# Altium PCB Evaluation Board.PcbDoc (part 17 of 22)
Units mm, origin at the board's own origin, x right, y up, seen from the top; angles counter-clockwise.
Board outline 200 x 200 mm, 4 copper layers (Top Layer, GND, Power, Bottom Layer), stack 1.56 mm thick; 639 components, 758 nets, 3043 pads, 1306 vias.
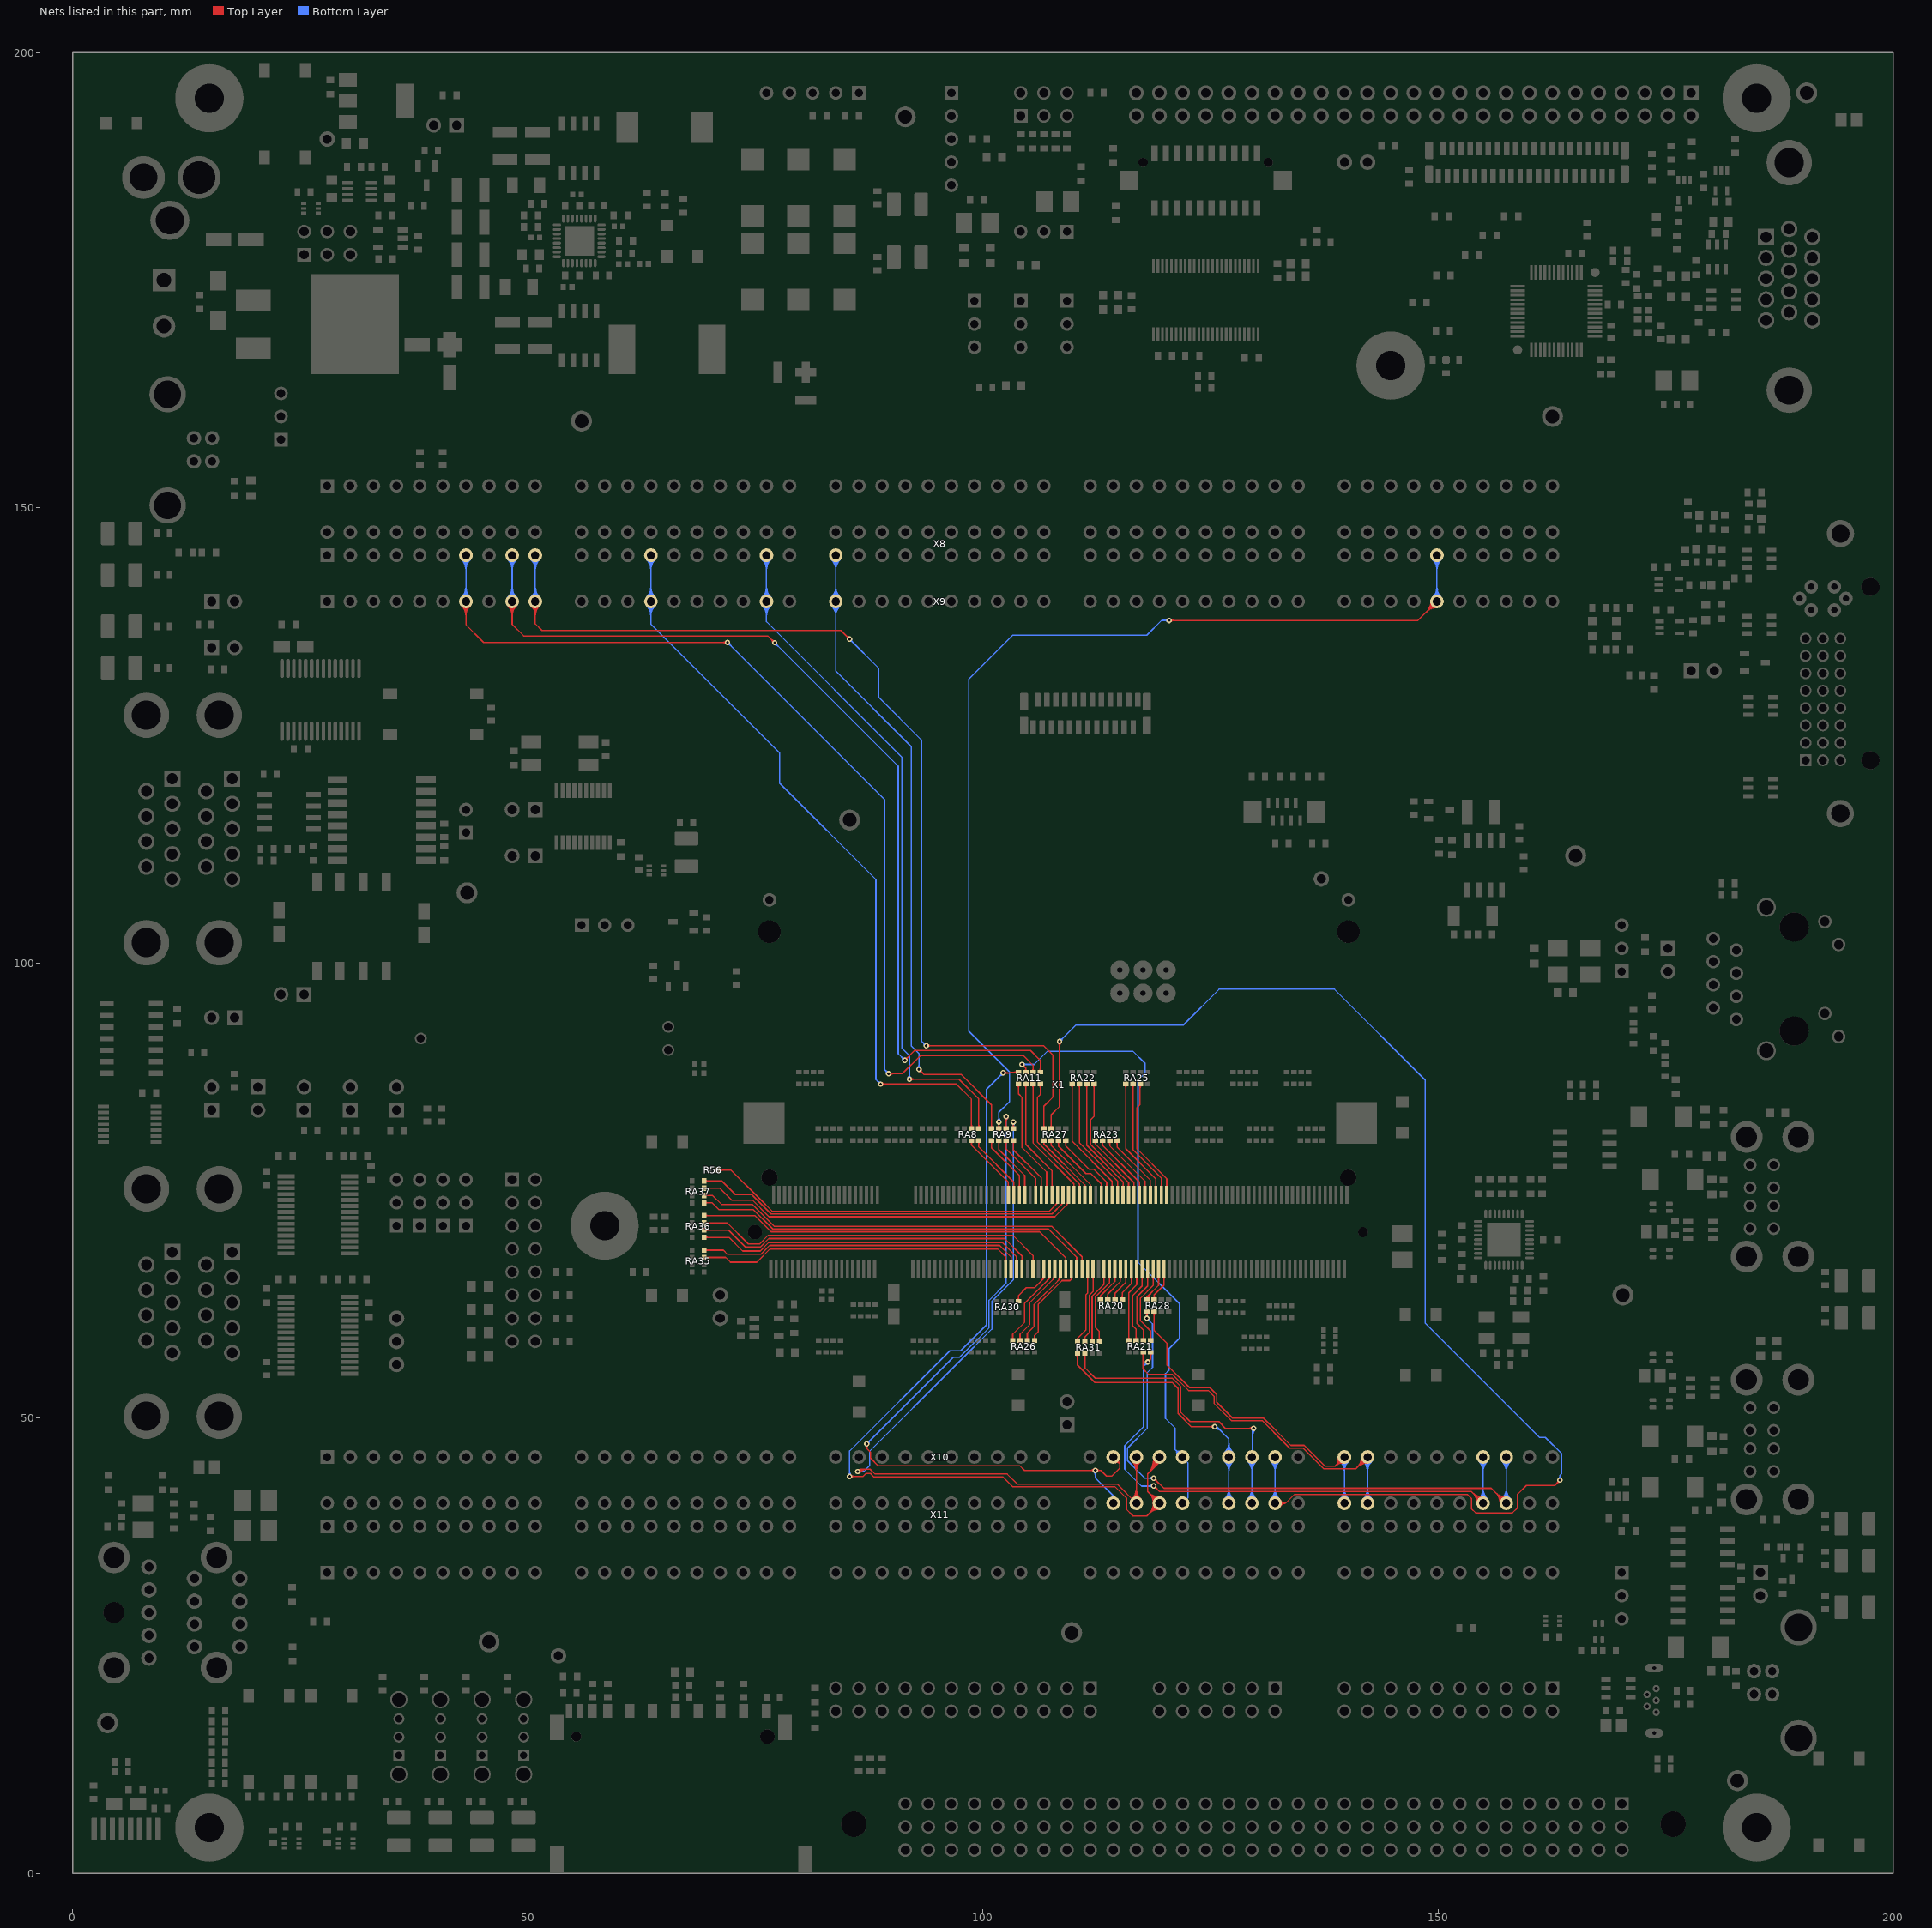
[diagram p19: the nets of this part, all layers, seen from the top]

## Via types
v1: diameter 0.6, hole 0.3, Top Layer to Bottom Layer, 1222 vias
v2: diameter 0.6, hole 0.3, Top Layer to Bottom Layer, tented both sides, 84 vias

## Nets (pads, with @x,y where several pads share a name; then routed paths per layer and width w, separated by ;. In a path a pad name is that pad's centre, name@x,y a point inside that pad or via, vN(x,y) a via of type N, cw(c..) or ccw(c..) an arc to the next point about the centre after c; other vN are vias at no path point) (continued)
SODIMM_75_S: RA35.3 X1.75 | length 36.7
  Top Layer w0.15: RA35.3@69.342,67.64 71.725,67.64 72.24,67.125 75.141,67.125 76.595,68.579 101.601,68.579 102.482,67.698 X1.75@102.482,66.316 ; RA35.3@69.466,67.516 cw(c69.764,67.218) 69.764,67.64 cw(c69.764,68.062) RA35.3@69.466,67.764 ; X1.75@102.411,67.212 ccw(c102.241,67.383) 102.482,67.383 ccw(c102.723,67.383) X1.75@102.553,67.212
SODIMM_76: RA8.7 X8.A14 X9.14 | length 102.8
  Top Layer w0.15: v1(88.75,86.675) 88.75,86.677 88.763,86.69 97.06,86.69 98.73,85.02 RA8.7@98.73,81.793 ; v1@88.909,86.516 cw(c89.33,86.095) 89.33,86.69 ; v1@88.909,86.834 ccw(c89.257,87.182) 89.257,86.69 ; RA8.7@98.606,81.916 ccw(c98.307,82.215) 98.73,82.215 ccw(c99.152,82.215) RA8.7@98.853,81.916
  Bottom Layer w0.15: X9.14@63.023,139.223 cw(c61.87,138.07) 63.5,138.07 cw(c65.13,138.07) X9.14@63.977,139.223 ; X9.14@63.023,140.177 ccw(c61.87,141.33) 63.5,141.33 ccw(c65.13,141.33) X9.14@63.977,140.177 ; X8.A14@63.023,144.303 cw(c61.87,143.15) 63.5,143.15 cw(c65.13,143.15) X8.A14@63.977,144.303 ; X9.14@63.129,139.329 cw(c62.233,138.433) 63.5,138.433 cw(c64.767,138.433) X9.14@63.871,139.329 ; X9.14@63.129,140.071 ccw(c62.233,140.967) 63.5,140.967 ccw(c64.767,140.967) X9.14@63.871,140.071 ; X8.A14@63.129,144.409 cw(c62.233,143.513) 63.5,143.513 cw(c64.767,143.513) X8.A14@63.871,144.409 ; X9.14@63.235,139.435 cw(c62.595,138.795) 63.5,138.795 cw(c64.405,138.795) X9.14@63.765,139.435 ; X9.14@63.235,139.965 ccw(c62.595,140.605) 63.5,140.605 ccw(c64.405,140.605) X9.14@63.765,139.965 ; X8.A14@63.235,144.515 cw(c62.595,143.875) 63.5,143.875 cw(c64.405,143.875) X8.A14@63.765,144.515 ; X8.A14@63.5,144.78 X9.14@63.5,139.7 63.5,137.211 77.651,123.06 77.651,119.729 88.225,109.155 88.225,87.2 v1(88.75,86.675) ; v1@88.525,86.675 ccw(c87.982,86.675) 88.366,87.059 ccw(c88.75,87.443) v1@88.75,86.9
SODIMM_76_S: RA8.3 X1.76 | length 8.7
  Top Layer w0.15: RA8.3@98.606,80.369 cw(c98.307,80.07) 98.73,80.07 cw(c99.152,80.07) RA8.3@98.853,80.369 ; RA8.3@98.73,80.493 98.73,79.959 102.782,75.907 X1.76@102.782,74.516 ; X1.76@102.711,75.412 ccw(c102.541,75.583) 102.782,75.583 ccw(c103.023,75.583) X1.76@102.853,75.412
SODIMM_77_S: RA35.4 X1.77 | length 37.3
  Top Layer w0.15: RA35.4@69.342,68.44 71.348,68.44 71.46,68.44 71.925,67.975 75.567,67.975 76.032,68.44 76.548,68.956 101.819,68.956 103.082,67.693 X1.77@103.082,66.316 ; RA35.4@69.466,68.316 cw(c69.764,68.018) 69.764,68.44 cw(c69.764,68.862) RA35.4@69.466,68.564 ; X1.77@103.011,67.212 ccw(c102.841,67.383) 103.082,67.383 ccw(c103.323,67.383) X1.77@103.153,67.212
SODIMM_78: RA8.8 X8.A19 X9.19 | length 96.2
  Top Layer w0.15: v1(91.897,87.224) 97.358,87.224 99.53,85.052 RA8.8@99.53,81.793 ; v1@92.056,87.065 cw(c92.44,86.68) 92.44,87.224 cw(c92.44,87.767) v1@92.056,87.383 ; RA8.8@99.406,81.916 ccw(c99.107,82.215) 99.53,82.215 ccw(c99.952,82.215) RA8.8@99.653,81.916
  Bottom Layer w0.15: X9.19@75.723,139.223 cw(c74.57,138.07) 76.2,138.07 cw(c77.83,138.07) X9.19@76.677,139.223 ; X9.19@75.723,140.177 ccw(c74.57,141.33) 76.2,141.33 ccw(c77.83,141.33) X9.19@76.677,140.177 ; X8.A19@75.723,144.303 cw(c74.57,143.15) 76.2,143.15 cw(c77.83,143.15) X8.A19@76.677,144.303 ; X9.19@75.829,139.329 cw(c74.933,138.433) 76.2,138.433 cw(c77.467,138.433) X9.19@76.571,139.329 ; X9.19@75.829,140.071 ccw(c74.933,140.967) 76.2,140.967 ccw(c77.467,140.967) X9.19@76.571,140.071 ; X8.A19@75.829,144.409 cw(c74.933,143.513) 76.2,143.513 cw(c77.467,143.513) X8.A19@76.571,144.409 ; X9.19@75.935,139.435 cw(c75.295,138.795) 76.2,138.795 cw(c77.105,138.795) X9.19@76.465,139.435 ; X9.19@75.935,139.965 ccw(c75.295,140.605) 76.2,140.605 ccw(c77.105,140.605) X9.19@76.465,139.965 ; X8.A19@75.935,144.515 cw(c75.295,143.875) 76.2,143.875 cw(c77.105,143.875) X8.A19@76.465,144.515 ; X8.A19@76.2,144.78 X9.19@76.2,139.7 76.2,137.475 91.1,122.575 91.1,90.625 91.925,89.8 91.925,87.251 v1(91.897,87.224) ; v1@91.738,87.383 ccw(c91.287,87.834) 91.925,87.834 ; 91.925,87.7 ccw(c92.373,87.7) v1@92.056,87.383
SODIMM_78_S: RA8.4 X1.78 | length 8.6
  Top Layer w0.15: RA8.4@99.406,80.369 cw(c99.107,80.07) 99.53,80.07 cw(c99.952,80.07) RA8.4@99.653,80.369 ; RA8.4@99.53,80.493 99.53,79.769 103.382,75.917 X1.78@103.382,74.516 ; X1.78@103.311,75.412 ccw(c103.141,75.583) 103.382,75.583 ccw(c103.623,75.583) X1.78@103.453,75.412
SODIMM_79_S: RA36.1 X1.79 | length 38.4
  Top Layer w0.15: RA36.1@69.342,69.85 72.075,69.85 73.575,68.35 75.518,68.35 76.454,69.287 102.112,69.287 103.682,67.717 X1.79@103.682,66.316 ; RA36.1@69.466,69.726 cw(c69.764,69.428) 69.764,69.85 cw(c69.764,70.272) RA36.1@69.466,69.974 ; X1.79@103.611,67.212 ccw(c103.441,67.383) 103.682,67.383 ccw(c103.923,67.383) X1.79@103.753,67.212
SODIMM_80: RA9.5 X8.A21 X9.21 | length 92.8
  Top Layer w0.15: v1@92.95,88.075 cw(c92.95,87.532) 93.334,87.916 cw(c93.718,88.3) v1@93.175,88.3 ; v1(92.95,88.3) 93.493,87.757 97.587,87.757 100.94,84.404 RA9.5@100.94,81.793 ; RA9.5@100.816,81.916 ccw(c100.517,82.215) 100.94,82.215 ccw(c101.362,82.215) RA9.5@101.063,81.916
  Bottom Layer w0.15: X9.21@83.343,139.223 cw(c82.19,138.07) 83.82,138.07 cw(c85.45,138.07) X9.21@84.297,139.223 ; X9.21@83.343,140.177 ccw(c82.19,141.33) 83.82,141.33 ccw(c85.45,141.33) X9.21@84.297,140.177 ; X8.A21@83.343,144.303 cw(c82.19,143.15) 83.82,143.15 cw(c85.45,143.15) X8.A21@84.297,144.303 ; X9.21@83.449,139.329 cw(c82.553,138.433) 83.82,138.433 cw(c85.087,138.433) X9.21@84.191,139.329 ; X9.21@83.449,140.071 ccw(c82.553,140.967) 83.82,140.967 ccw(c85.087,140.967) X9.21@84.191,140.071 ; X8.A21@83.449,144.409 cw(c82.553,143.513) 83.82,143.513 cw(c85.087,143.513) X8.A21@84.191,144.409 ; X9.21@83.555,139.435 cw(c82.915,138.795) 83.82,138.795 cw(c84.725,138.795) X9.21@84.085,139.435 ; X9.21@83.555,139.965 ccw(c82.915,140.605) 83.82,140.605 ccw(c84.725,140.605) X9.21@84.085,139.965 ; X8.A21@83.555,144.515 cw(c82.915,143.875) 83.82,143.875 cw(c84.725,143.875) X8.A21@84.085,144.515 ; X8.A21@83.82,144.78 X9.21@83.82,139.7 83.82,132.055 92.125,123.75 92.125,90.875 92.95,90.05 v1(92.95,88.3) ; v1@92.791,88.459 ccw(c92.407,88.843) 92.95,88.843 ccw(c93.493,88.843) v1@93.109,88.459
SODIMM_80_S: RA9.1 X1.80 | length 8.3
  Top Layer w0.15: RA9.1@100.816,80.369 cw(c100.517,80.07) 100.94,80.07 cw(c101.362,80.07) RA9.1@101.063,80.369 ; RA9.1@100.94,80.493 100.94,79.68 103.982,76.637 X1.80@103.982,74.516 ; X1.80@103.911,75.412 ccw(c103.741,75.583) 103.982,75.583 ccw(c104.223,75.583) X1.80@104.053,75.412
SODIMM_81_S: RA36.2 X1.81 | length 39.4
  Top Layer w0.15: RA36.2@69.342,70.65 69.367,70.625 72.05,70.625 73.875,68.8 75.543,68.8 76.453,69.71 102.375,69.71 104.282,67.803 X1.81@104.282,66.316 ; RA36.2@69.466,70.526 cw(c69.704,70.288) 69.704,70.625 ; RA36.2@69.466,70.774 ccw(c69.825,71.133) 69.825,70.625 ; X1.81@104.211,67.212 ccw(c104.041,67.383) 104.282,67.383 ccw(c104.523,67.383) X1.81@104.353,67.212
SODIMM_82: RA9.6 X8.A45 X9.45 | length 132.9
  Top Layer w0.15: RA9.6@101.616,81.916 ccw(c101.317,82.215) 101.74,82.215 ccw(c102.162,82.215) RA9.6@101.863,81.916 ; RA9.6@101.74,81.793 v1(101.74,82.525) ; v1(120.45,137.617) 147.777,137.617 X9.45@149.86,139.7 ; v1@120.609,137.458 cw(c120.993,137.074) 120.993,137.617 cw(c120.993,138.16) v1@120.609,137.776 ; X9.45@149.185,139.7 cw(c147.555,139.7) 148.708,138.548 cw(c149.86,137.395) X9.45@149.86,139.025 ; X9.45@149.335,139.7 cw(c148.068,139.7) 148.964,138.804 cw(c149.86,137.908) X9.45@149.86,139.175 ; X9.45@149.485,139.7 cw(c148.58,139.7) 149.22,139.06 cw(c149.86,138.42) X9.45@149.86,139.325
  Bottom Layer w0.15: v1@101.58,82.684 ccw(c101.196,83.068) 101.74,83.068 ccw(c102.283,83.068) v1@101.899,82.684 ; v1(101.74,82.525) 101.74,83.59 102.9,84.75 102.9,88.025 98.425,92.5 98.425,131.175 103.25,136 118,136 119.625,137.625 v1@120.475,137.625 ; 119.888,137.625 cw(c119.888,137.055) v1@120.291,137.458 ; 119.926,137.625 ccw(c119.926,138.142) v1@120.291,137.776 ; X9.45@149.383,140.177 ccw(c148.23,141.33) 149.86,141.33 ccw(c151.49,141.33) X9.45@150.337,140.177 ; X8.A45@149.383,144.303 cw(c148.23,143.15) 149.86,143.15 cw(c151.49,143.15) X8.A45@150.337,144.303 ; X9.45@149.489,140.071 ccw(c148.593,140.967) 149.86,140.967 ccw(c151.127,140.967) X9.45@150.231,140.071 ; X8.A45@149.489,144.409 cw(c148.593,143.513) 149.86,143.513 cw(c151.127,143.513) X8.A45@150.231,144.409 ; X9.45@149.595,139.965 ccw(c148.955,140.605) 149.86,140.605 ccw(c150.765,140.605) X9.45@150.125,139.965 ; X8.A45@149.595,144.515 cw(c148.955,143.875) 149.86,143.875 cw(c150.765,143.875) X8.A45@150.125,144.515 ; X9.45@149.86,139.7 X8.A45@149.86,144.78
SODIMM_82_S: RA9.2 X1.82 | length 8.2
  Top Layer w0.15: RA9.2@101.616,80.369 cw(c101.317,80.07) 101.74,80.07 cw(c102.162,80.07) RA9.2@101.863,80.369 ; RA9.2@101.74,80.493 101.74,79.489 104.582,76.647 X1.82@104.582,74.516 ; X1.82@104.511,75.412 ccw(c104.341,75.583) 104.582,75.583 ccw(c104.823,75.583) X1.82@104.653,75.412
SODIMM_85_S: RA36.3 X1.85 | length 41
  Top Layer w0.15: RA36.3@69.342,71.45 71.875,71.45 74.2,69.125 75.444,69.125 76.36,70.041 103.302,70.041 105.482,67.86 X1.85@105.482,66.316 ; RA36.3@69.466,71.326 cw(c69.764,71.028) 69.764,71.45 cw(c69.764,71.872) RA36.3@69.466,71.574 ; X1.85@105.411,67.212 ccw(c105.241,67.383) 105.482,67.383 ccw(c105.723,67.383) X1.85@105.553,67.212
SODIMM_86: RA9.7 X10.32 X11.B32 | length 88.9
  Top Layer w0.15: v1@87.072,47.001 cw(c86.762,46.66) 87.224,46.66 ; v1(87.224,47.168) 87.224,46.66 ; v1@87.375,47.001 ccw(c87.685,46.66) 87.224,46.66 ; v1@102.38,82.95 cw(c101.996,82.566) 102.54,82.566 cw(c103.083,82.566) v1@102.699,82.95 ; RA9.7@102.416,81.916 ccw(c102.117,82.215) 102.54,82.215 ccw(c102.962,82.215) RA9.7@102.663,81.916 ; RA9.7@102.54,81.793 v1(102.54,83.109) ; v1@112.166,44.091 ccw(c111.782,43.707) 111.782,44.25 ccw(c111.782,44.793) v1@112.166,44.409 ; v1@112.484,44.091 cw(c112.868,43.707) 112.868,44.25 cw(c112.868,44.793) v1@112.484,44.409 ; X10.32@114.3,45.72 115.011,45.009 ; X10.32@114.503,45.236 cw(c114.627,44.94) 114.853,45.167 cw(c115.08,45.393) X10.32@114.784,45.517 ; X10.32@114.561,45.097 cw(c114.72,44.718) 115.011,45.009 ; X10.32@114.923,45.459 ccw(c115.302,45.3) 115.011,45.009 ; 87.224,46.66 87.635,46.248 87.635,45.606 88.496,44.745 104.055,44.745 104.55,44.25 v1(112.325,44.25) 112.947,44.25 113.559,43.637 114.148,43.637 115.011,44.501 115.011,45.009
  Bottom Layer w0.15: v1(87.224,47.168) 96.731,56.675 97.425,56.675 100.661,59.911 100.661,62.934 102.54,64.813 v1(102.54,83.109) ; v1@87.224,47.393 ccw(c87.224,47.936) 87.608,47.552 ccw(c87.992,47.168) v1@87.449,47.168 ; v1@102.38,82.95 cw(c101.996,82.566) 102.54,82.566 cw(c103.083,82.566) v1@102.699,82.95 ; v1@112.166,44.091 cw(c111.797,43.722) 112.319,43.722 ; 112.319,43.692 cw(c112.883,43.692) v1@112.484,44.091 ; v1@112.319,44.244 112.319,43.44 114.3,41.459 ; X11.B32@114.171,41.303 ccw(c114.141,41.459) 114.3,41.459 ; X11.B32@114.3,40.64 114.3,41.459 ; X11.B32@114.429,41.303 cw(c114.459,41.459) 114.3,41.459
SODIMM_86_S: RA9.3 X1.86 | length 8.4
  Top Layer w0.15: RA9.3@102.416,80.369 cw(c102.117,80.07) 102.54,80.07 cw(c102.962,80.07) RA9.3@102.663,80.369 ; RA9.3@102.54,80.493 102.54,79.553 105.782,76.311 X1.86@105.782,74.516 ; X1.86@105.711,75.412 ccw(c105.541,75.583) 105.782,75.583 ccw(c106.023,75.583) X1.86@105.853,75.412
SODIMM_88: RA9.8 X10.33 X11.B33 | length 101.1
  Top Layer w0.15: v1@86.172,44.178 cw(c86.647,43.703) 86.647,44.375 ; v1(86.225,44.125) 86.475,44.375 ; v1@86.278,44.072 cw(c87.01,43.34) 87.01,44.375 ; v1@86.302,44.337 ccw(c86.358,44.492) 86.475,44.375 ; v1@86.384,43.966 cw(c87.372,42.978) 87.372,44.375 ; v1@86.437,44.202 cw(c86.592,44.258) 86.475,44.375 ; RA9.8@103.216,81.916 ccw(c102.917,82.215) 103.34,82.215 ccw(c103.762,82.215) RA9.8@103.463,81.916 ; RA9.8@103.34,81.793 v1(103.34,82.525) ; X11.B33@116.363,41.117 ccw(c115.21,42.27) 116.84,42.27 ccw(c118.47,42.27) X11.B33@117.317,41.117 ; X10.33@116.363,45.243 cw(c115.21,44.09) 116.84,44.09 cw(c118.47,44.09) X10.33@117.317,45.243 ; X11.B33@116.469,41.011 ccw(c115.573,41.907) 116.84,41.907 ccw(c118.107,41.907) X11.B33@117.211,41.011 ; X10.33@116.469,45.349 cw(c115.573,44.453) 116.84,44.453 cw(c118.107,44.453) X10.33@117.211,45.349 ; X11.B33@116.575,40.905 ccw(c115.935,41.545) 116.84,41.545 ccw(c117.745,41.545) X11.B33@117.105,40.905 ; X10.33@116.575,45.455 cw(c115.935,44.815) 116.84,44.815 cw(c117.745,44.815) X10.33@117.105,45.455 ; X10.33@116.84,45.72 X11.B33@116.84,40.64 114.75,42.73 103.77,42.73 102.655,43.845 88.123,43.845 87.593,44.375 86.475,44.375
  Bottom Layer w0.15: v1(86.225,44.125) 86.899,44.125 87.528,44.755 87.528,46.331 97.072,55.875 97.075,55.875 100.961,59.761 100.961,62.81 103.34,65.189 v1(103.34,82.525) ; v1@86.384,43.966 cw(c86.768,43.582) 86.768,44.125 cw(c86.768,44.668) v1@86.384,44.284 ; v1@103.18,82.366 cw(c102.796,81.981) 103.34,81.981 cw(c103.883,81.981) v1@103.499,82.366
SODIMM_88_S: RA9.4 X1.88 | length 8.3
  Top Layer w0.15: RA9.4@103.216,80.369 cw(c102.917,80.07) 103.34,80.07 cw(c103.762,80.07) RA9.4@103.463,80.369 ; RA9.4@103.34,80.493 103.34,79.439 106.382,76.396 X1.88@106.382,74.516 ; X1.88@106.311,75.412 ccw(c106.141,75.583) 106.382,75.583 ccw(c106.623,75.583) X1.88@106.453,75.412
SODIMM_89_S: RA30.1 X1.89 | length 6.5
  Top Layer w0.15: RA30.1@103.762,62.963 ccw(c103.464,63.262) 103.886,63.262 ccw(c104.308,63.262) RA30.1@104.01,62.963 ; RA30.1@103.886,62.84 103.886,63.449 104.741,64.304 105.654,64.304 106.682,65.332 X1.89@106.682,66.316 ; 106.398,65.048 ccw(c105.955,65.491) X1.89@106.582,65.491 ; 106.655,65.305 ccw(c106.468,65.491) X1.89@106.732,65.491
SODIMM_90: RA11.5 X10.34 X11.B34 | length 121.9
  Top Layer w0.15: v1(85.344,43.586) 86.811,43.586 87.133,43.908 87.636,43.908 87.999,43.545 102.18,43.545 103.295,42.43 114.52,42.43 115.75,41.2 115.75,39.975 116.482,39.243 117.983,39.243 X11.B34@119.38,40.64 118.093,41.927 118.093,43.855 ; v1@85.503,43.427 cw(c85.887,43.043) 85.887,43.586 cw(c85.887,44.13) v1@85.503,43.745 ; v1(102.2,87.925) 102.225,87.9 102.875,87.9 102.965,87.99 RA11.5@103.886,87.99 ; v1@102.359,87.766 cw(c102.683,87.442) 102.683,87.9 ; v1@102.359,88.084 ccw(c102.804,88.529) 102.804,87.9 ; RA11.5@103.712,87.866 ccw(c103.414,87.568) 103.414,87.99 ccw(c103.414,88.413) RA11.5@103.712,88.114 ; 118.311,44.073 ccw(c116.956,45.428) X10.34@118.859,45.657 ; 118.529,44.291 ccw(c117.345,45.475) X10.34@119.008,45.675 ; X10.34@118.71,45.639 cw(c116.567,45.381) 118.093,43.855 ; 118.747,44.509 ccw(c117.735,45.522) X10.34@119.157,45.693 ; 118.965,44.727 ccw(c118.124,45.569) X10.34@119.306,45.711 ; 119.184,44.945 ccw(c118.513,45.616) X10.34@119.454,45.729 ; 119.215,44.977 cw(c119.38,44.812) X10.34@119.38,45.045 ; X11.B34@119.38,39.965 ccw(c119.38,38.335) 118.228,39.488 ccw(c117.075,40.64) 118.705,40.64 ccw(c117.075,40.64) 118.228,41.792 ccw(c119.38,42.945) X11.B34@119.38,41.315 ; X11.B34@119.38,40.115 ccw(c119.38,38.848) 118.484,39.744 ccw(c117.588,40.64) 118.855,40.64 ccw(c117.588,40.64) 118.484,41.536 ccw(c119.38,42.432) X11.B34@119.38,41.165 ; X11.B34@119.38,40.265 ccw(c119.38,39.36) 118.74,40 ccw(c118.1,40.64) 119.005,40.64 ccw(c118.1,40.64) 118.74,41.28 ccw(c119.38,41.92) X11.B34@119.38,41.015 ; X10.34@119.38,45.72 119.38,45.142 118.093,43.855
  Bottom Layer w0.15: v1@85.185,43.745 ccw(c84.801,44.13) 85.344,44.13 ccw(c85.887,44.13) v1@85.503,43.745 ; v1(85.344,43.586) 85.344,46.38 96.351,57.387 97.537,57.387 100.361,60.211 100.361,86.086 v1(102.2,87.925) ; v1@101.975,87.925 cw(c101.432,87.925) 101.816,87.541 cw(c102.2,87.157) v1@102.2,87.7
SODIMM_90_S: RA11.1 X1.90 | length 14.5
  Top Layer w0.15: RA11.1@103.762,86.566 cw(c103.464,86.268) 103.886,86.268 cw(c104.308,86.268) RA11.1@104.01,86.566 ; RA11.1@103.886,86.69 103.886,85.623 104.292,85.217 104.292,79.705 106.982,77.016 X1.90@106.982,74.516 ; X1.90@106.911,75.412 ccw(c106.741,75.583) 106.982,75.583 ccw(c107.223,75.583) X1.90@107.053,75.412
SODIMM_91_S: RA26.4 X1.91 | length 10.8
  Top Layer w0.15: RA26.4@103.14,58.645 ccw(c102.842,58.944) 103.264,58.944 ccw(c103.686,58.944) RA26.4@103.388,58.645 ; RA26.4@103.264,58.522 103.264,59.214 104.575,60.525 104.575,62.625 107.282,65.332 X1.91@107.282,66.316 ; 106.998,65.048 ccw(c106.555,65.491) X1.91@107.182,65.491 ; 107.255,65.305 ccw(c107.068,65.491) X1.91@107.332,65.491
SODIMM_92: RA11.6 X10.35 X11.B35 | length 72.9
  Top Layer w0.15: v1@104.275,88.625 cw(c104.275,88.082) 104.659,88.466 cw(c105.043,88.85) v1@104.5,88.85 ; v1(104.275,88.85) 104.686,88.439 RA11.6@104.686,87.99 ; RA11.6@104.562,88.114 ccw(c104.264,88.413) 104.686,88.413 ccw(c105.108,88.413) RA11.6@104.81,88.114
  Bottom Layer w0.15: v1(104.275,88.85) 105.624,88.85 107.074,90.3 116.456,90.3 117.797,88.959 117.797,87.872 117.025,87.1 117.025,67.125 121.575,62.575 121.575,58.75 120.45,57.625 120.45,55.274 120.04,54.864 120.04,49.96 121.116,48.884 121.116,46.524 ; v1@104.434,88.691 cw(c104.818,88.307) 104.818,88.85 cw(c104.818,89.393) v1@104.434,89.009 ; X10.35@121.272,45.91 ccw(c120.676,46.085) 121.116,46.524 ; X10.35@121.416,45.868 ccw(c120.953,46.004) 121.294,46.346 ccw(c121.636,46.687) X10.35@121.772,46.224 ; X10.35@121.73,46.368 cw(c121.555,46.964) 121.116,46.524 ; X11.B35@121.92,40.64 122.53,41.25 122.53,45.06 121.92,45.669 X10.35@121.92,45.72 121.116,46.524
SODIMM_92_S: RA11.2 X1.92 | length 14.4
  Top Layer w0.15: RA11.2@104.562,86.566 cw(c104.264,86.268) 104.686,86.268 cw(c105.108,86.268) RA11.2@104.81,86.566 ; RA11.2@104.686,86.69 104.686,80.048 107.582,77.152 X1.92@107.582,74.516 ; X1.92@107.511,75.412 ccw(c107.341,75.583) 107.582,75.583 ccw(c107.823,75.583) X1.92@107.653,75.412
SODIMM_93_S: RA26.3 X1.93 | length 10.4
  Top Layer w0.15: RA26.3@103.94,58.645 ccw(c103.642,58.944) 104.064,58.944 ccw(c104.486,58.944) RA26.3@104.188,58.645 ; RA26.3@104.064,58.522 104.064,59.214 105.1,60.25 105.1,62.641 107.882,65.423 X1.93@107.882,66.316 ; 107.663,65.204 ccw(c107.376,65.491) X1.93@107.782,65.491
SODIMM_94_S: R56.1 X1.94 | length 41.6
  Top Layer w0.15: R56.1@70.838,77.216 72.332,77.216 75.439,74.109 76.823,72.725 107.284,72.725 108.182,73.623 X1.94@108.182,74.516 ; R56.1@70.986,77.068 cw(c71.345,76.709) 71.345,77.216 cw(c71.345,77.723) R56.1@70.986,77.364 ; 107.963,73.404 ccw(c107.676,73.691) X1.94@108.082,73.691
SODIMM_95_S: RA26.2 X1.95 | length 10.7
  Top Layer w0.15: RA26.2@104.74,58.645 ccw(c104.442,58.944) 104.864,58.944 ccw(c105.286,58.944) RA26.2@104.988,58.645 ; RA26.2@104.864,58.522 104.864,59.314 105.6,60.05 105.6,62.445 108.482,65.327 X1.95@108.482,66.316 ; 108.195,65.041 ccw(c107.744,65.491) X1.95@108.382,65.491 ; 108.451,65.297 ccw(c108.256,65.491) X1.95@108.532,65.491
SODIMM_96_S: RA37.4 X1.96 | length 43.3
  Top Layer w0.15: RA37.4@69.342,76.06 71.29,76.06 72.8,74.55 74.573,74.55 76.704,72.419 107.578,72.419 108.782,73.623 X1.96@108.782,74.516 ; RA37.4@69.466,75.936 cw(c69.764,75.638) 69.764,76.06 cw(c69.764,76.482) RA37.4@69.466,76.184 ; 108.563,73.404 ccw(c108.276,73.691) X1.96@108.682,73.691
SODIMM_97_S: RA36.4 X1.97 | length 44
  Top Layer w0.15: RA36.4@69.342,72.25 74.925,72.25 76.712,70.463 106.219,70.463 109.082,67.6 X1.97@109.082,66.316 ; RA36.4@69.466,72.126 cw(c69.764,71.828) 69.764,72.25 cw(c69.764,72.672) RA36.4@69.466,72.374 ; X1.97@109.011,67.212 ccw(c108.841,67.383) 109.082,67.383 ccw(c109.323,67.383) X1.97@109.153,67.212
SODIMM_98_S: RA37.3 X1.98 | length 43.8
  Top Layer w0.15: RA37.3@69.342,75.26 71.065,75.26 72.375,73.95 74.649,73.95 76.48,72.119 107.878,72.119 109.382,73.623 X1.98@109.382,74.516 ; RA37.3@69.466,75.136 cw(c69.764,74.838) 69.764,75.26 cw(c69.764,75.682) RA37.3@69.466,75.384 ; 109.163,73.404 ccw(c108.876,73.691) X1.98@109.282,73.691
SODIMM_99_S: RA26.1 X1.99 | length 11
  Top Layer w0.15: RA26.1@105.54,58.645 ccw(c105.242,58.944) 105.664,58.944 ccw(c106.086,58.944) RA26.1@105.788,58.645 ; RA26.1@105.664,58.522 105.664,59.064 106.05,59.45 106.05,62.471 108.67,65.092 109.567,65.092 109.682,65.207 X1.99@109.682,66.316 ; X1.99@109.611,65.421 cw(c109.441,65.25) 109.682,65.25 cw(c109.923,65.25) X1.99@109.753,65.421